# Altium PCB Rectifire_(PFC)_Evaluation_board.PcbDoc
Units mm, origin at the board's own origin, x right, y up, seen from the top; angles counter-clockwise.
Board outline 50.01 x 103.15 mm, 2 copper layers (Top Layer, Bottom Layer); 118 components, 41 nets, 233 pads, 24 vias.
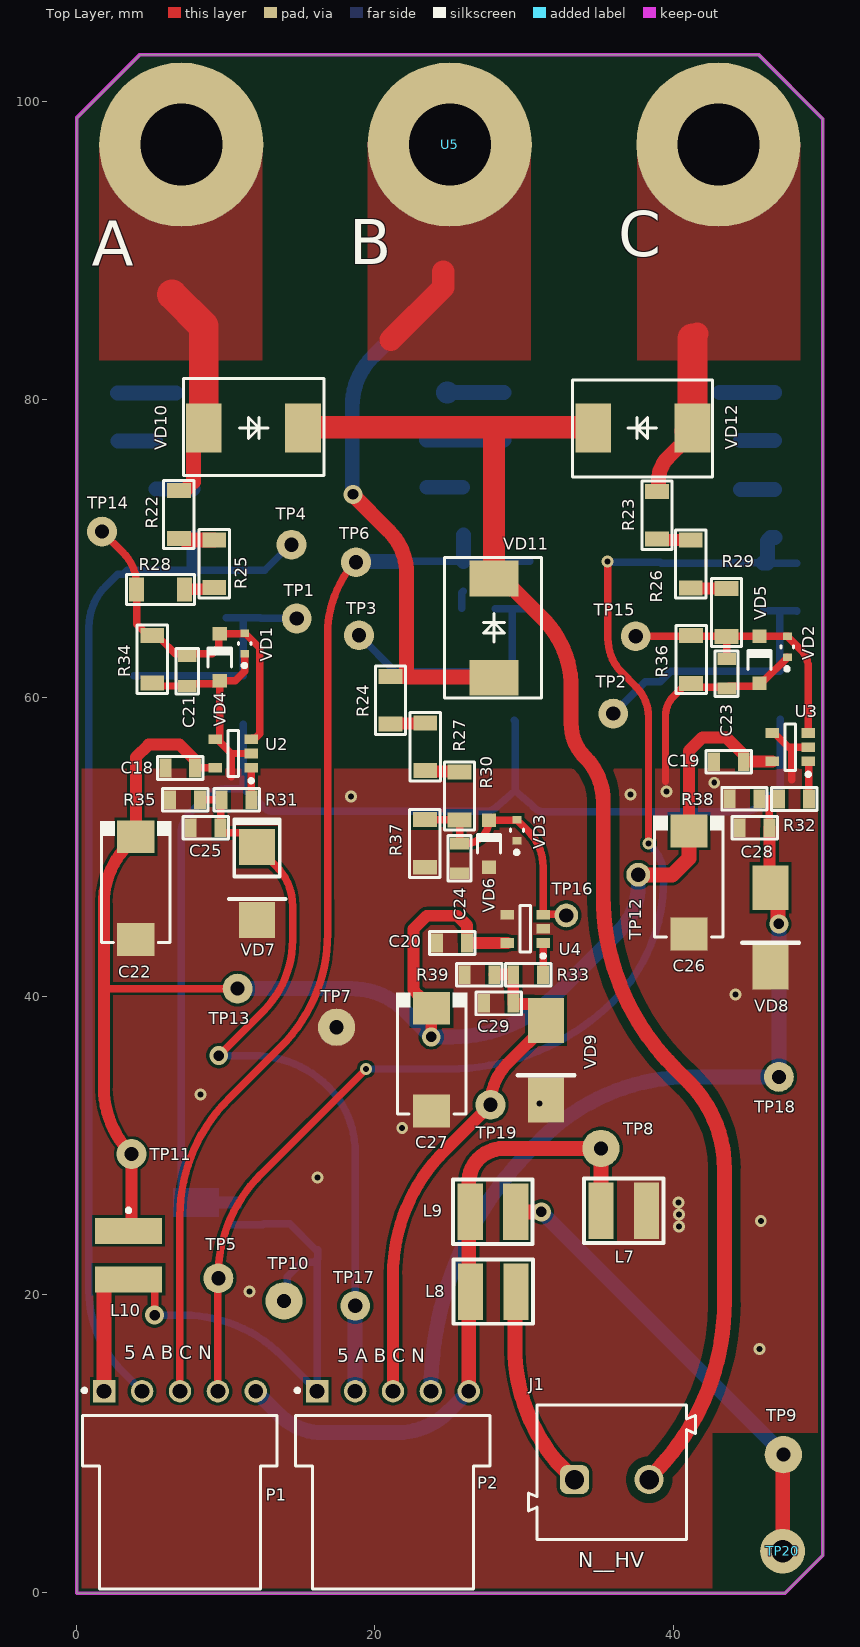
[diagram p0: Top Layer view]
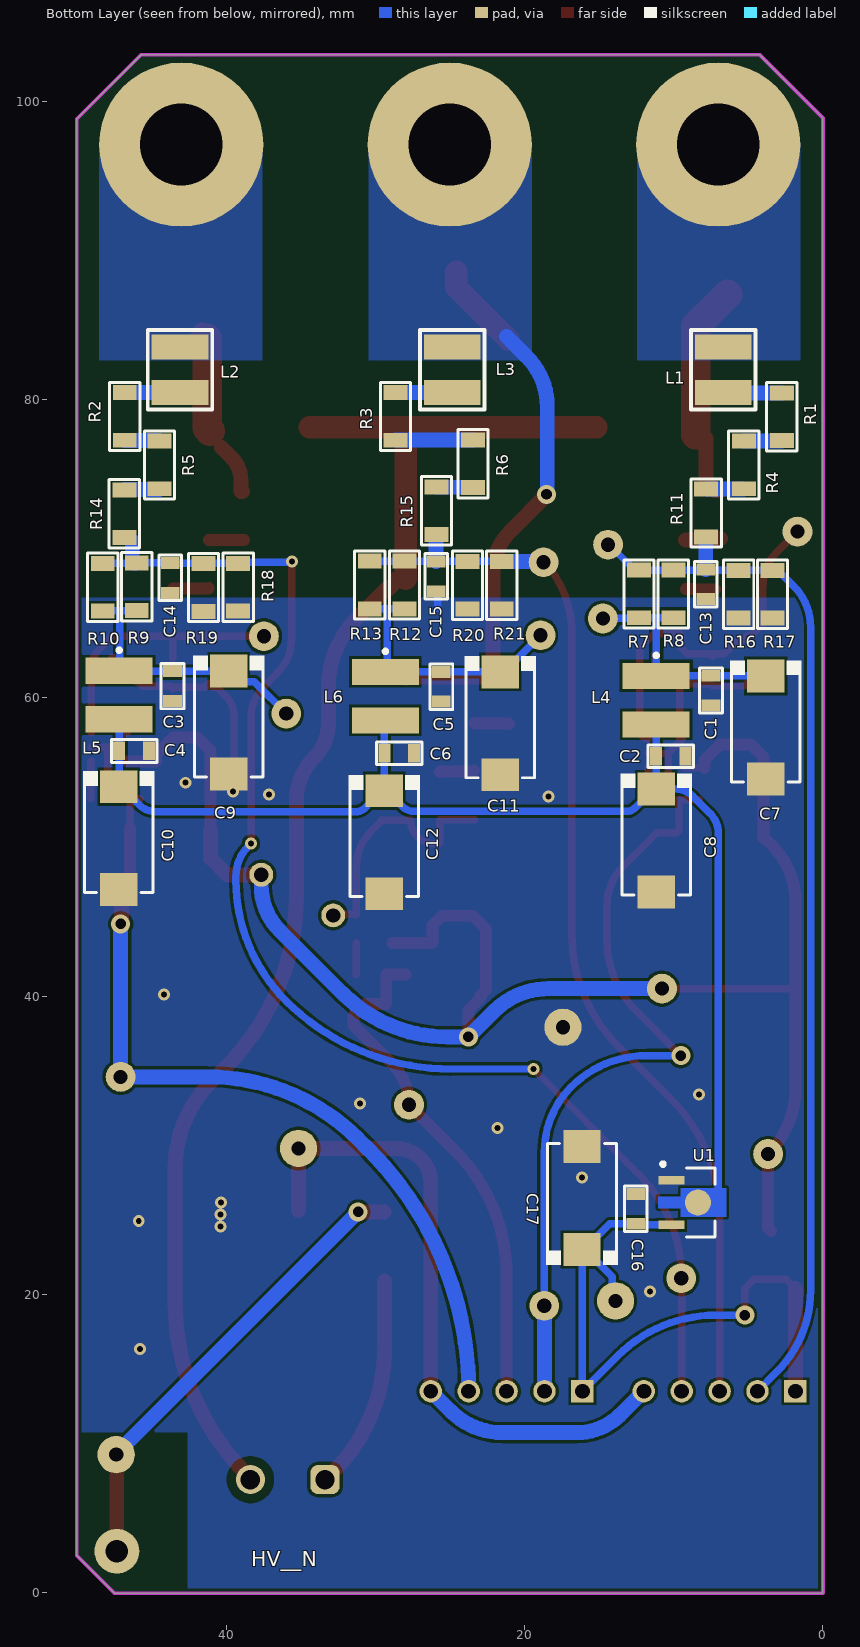
[diagram p1: Bottom Layer view, seen from below]
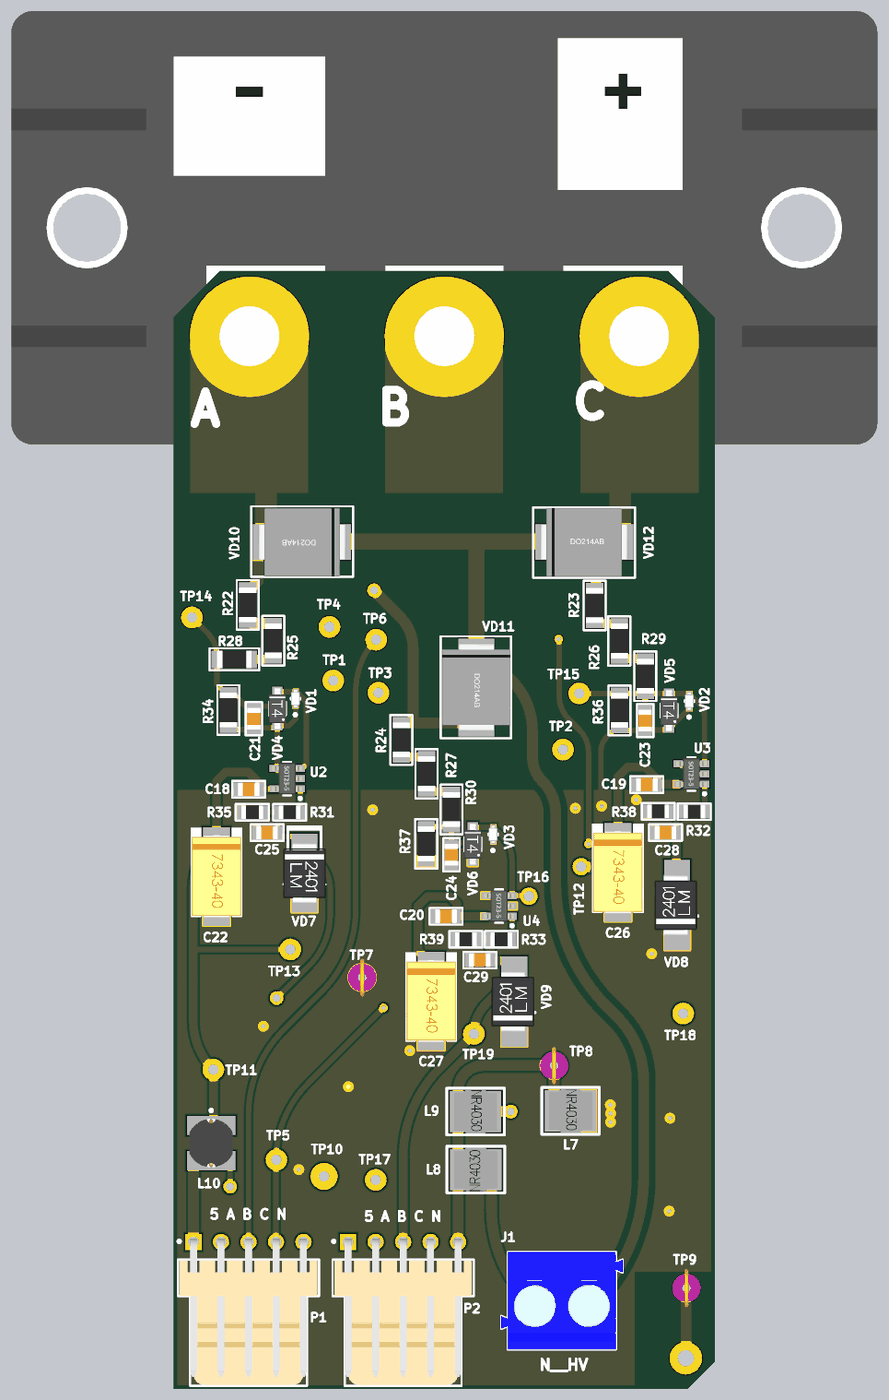
[diagram p2: 3D render of the assembled board from above, using the file's embedded part models]
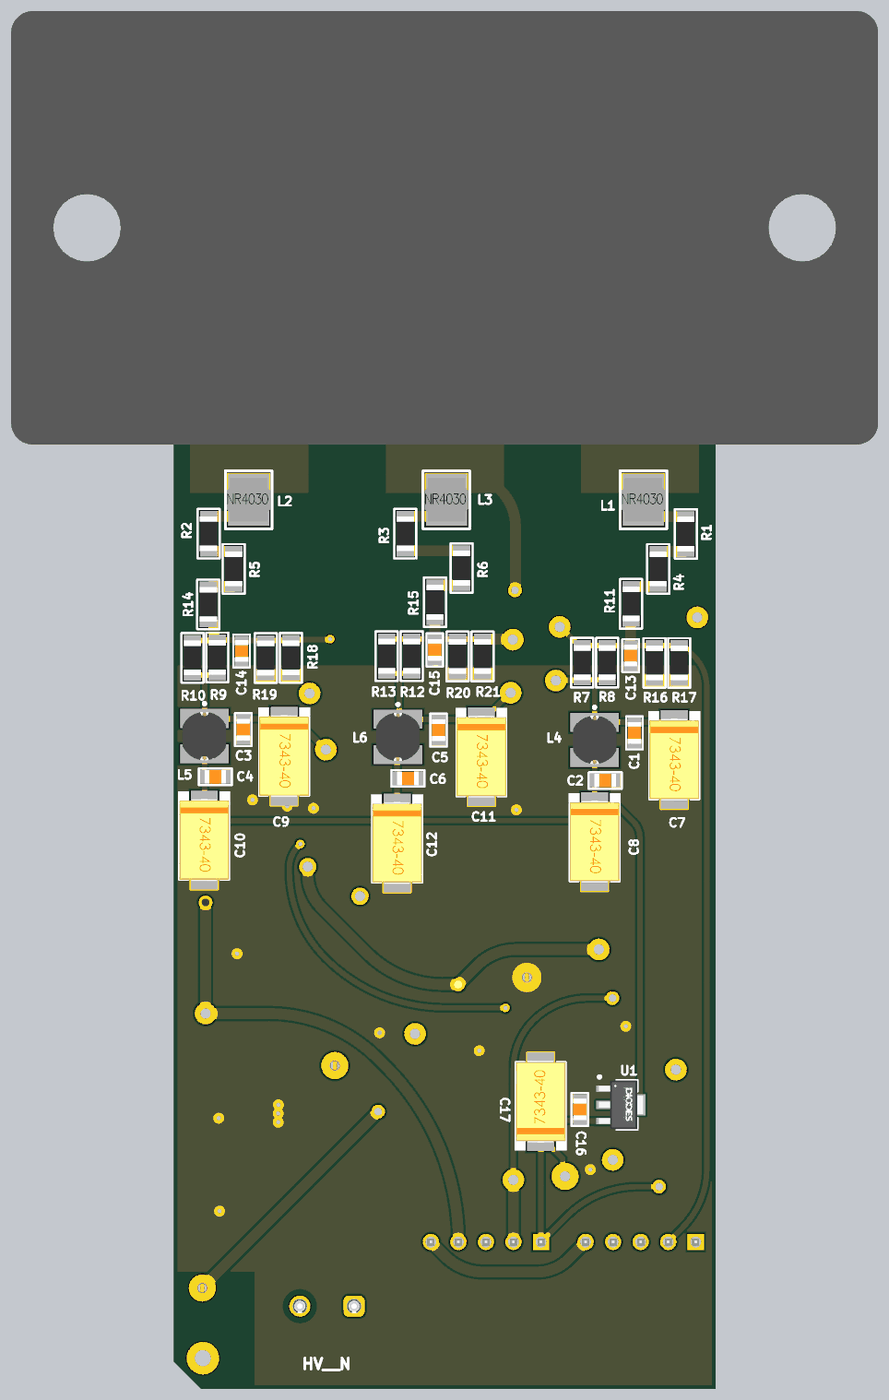
[diagram p3: 3D render of the assembled board from below, using the file's embedded part models]

## Layer stack, top to bottom
Top Solder: solder mask 0.0102, Solder Resist, Dk 3.5
Top Layer: signal copper 0.0356
Dielectric 1: dielectric 0.32, FR-4, Dk 4.8
Bottom Layer: signal copper 0.0356
Bottom Solder: solder mask 0.0102, Solder Resist, Dk 3.5

## Board outline
0,-0.021 0,98.875 4.25,103.125 45.7,103.125 50.014,98.811 50.014,2.511 47.482,-0.021

## Design rules (kind name [scope] priority, off if disabled: settings)
Clearance HV [InNetClass('All Nets') vs InNetClass('HV')] p1: gap=0.6 ignorepadtopadclearanceinfootprint=TRUE except(0.2: Text-Text Text-Hole) // HVV
Clearance 2 [All vs InNetClass('All Nets')] p2: gap=0.2 ignorepadtopadclearanceinfootprint=FALSE
PlaneConnect [All] p1: planeconnectstyle=Direct reliefexpansion=0.508 reliefentries=4 reliefconductorwidth=0.4 reliefairgap=0.254
PolygonConnect [All] p1: connectstyle=Direct reliefconductorwidth=0.5 reliefentries=4 polygonreliefangle="90 Angle" airgapwidth=0.254
RoutingVias [All] p1: holewidth=0.711 width=1.27 viastyle="Through Hole" minholewidth=0.711 minwidth=1.27 maxholewidth=0.711 maxwidth=1.27
ShortCircuit [All] p1 off: allowed=FALSE
SolderMaskExpansion [All] p1: expansion=0.102 istentingtop=FALSE
UnRoutedNet [All] p1 off:
UnpouredPolygon [All] p1 off:
Width [All] p1: maxlimit=5 minlimit=0.254 preferedwidth=0.254
26 further rules are at their usual default settings.

## Classes and differential pairs
net class HV: NetJ1_2

## Components (designator, comment, footprint, x,y, rotation, side; value= is the part's Value field where it differs from the comment)
C1 "0.1uF" CAP-0805 7.5,60.5 r90 bottom
C2 "0.1uF" CAP-0805 10.2,56.1 r0 bottom
C3 "0.1uF" CAP-0805 43.6,60.8 r90 bottom
C4 "0.1uF" CAP-0805 46.175,56.45 r0 bottom
C5 "0.1uF" CAP-0805 25.575,60.75 r90 bottom
C6 "0.1uF" CAP-0805 28.4,56.3 r0 bottom
C7 "50uF" CAP-TAN-D 3.825,58.025 r270 bottom
C8 "50uF" CAP-TAN-D 11.175,50.45 r270 bottom
C9 "50uF" CAP-TAN-D 39.825,58.35 r270 bottom
C10 "50uF" CAP-TAN-D 47.2,50.6 r270 bottom
C11 "50uF" CAP-TAN-D 21.625,58.3 r270 bottom
C12 "50uF" CAP-TAN-D 29.4,50.325 r270 bottom
C13 "470pF" CAP-0805 7.85,67.625 r90 bottom
C14 "470pF" CAP-0805 43.75,68.05 r90 bottom
C15 "470pF" CAP-0805 25.925,68.15 r90 bottom
C16 "0.1uF" CAP-0805 12.55,25.75 r270 bottom
C17 "50uF" CAP-TAN-D 16.15,26.475 r90 bottom
C18 "0.1uF" CAP-0805 6.945,55.3 r0 top
C19 "0.1uF" CAP-0805 43.72,55.725 r0 top
C20 "0.1uF" CAP-0805 25.17,43.575 r0 top
C21 "470pF" CAP-0805 7.42,61.8 r90 top
C22 "50uF" CAP-TAN-D 3.97,47.25 r270 top
C23 "470pF" CAP-0805 43.57,61.625 r90 top
C24 "470pF" CAP-0805 25.67,49.25 r90 top
C25 "470pF" CAP-0805 8.645,51.3 r0 top
C26 "50uF" CAP-TAN-D 41.045,47.625 r270 top
C27 "50uF" CAP-TAN-D 23.795,35.75 r270 top
C28 "470pF" CAP-0805 45.445,51.3 r0 top
C29 "470pF" CAP-0805 28.295,39.525 r0 top
J1 "691101710002" 691101710002 35.875,8.1 r0 top
L1 "Coil" NR4030 6.675,82 r180 bottom locked
L2 "Coil" NR4030 43.1,82 r180 bottom locked
L3 "Coil" NR4030 24.85,82 r180 bottom locked
L4 "12µH, 1.28A" WE-PD2_4532 11.175,59.85 r270 bottom
L5 "12µH, 1.28A" WE-PD2_4532 47.175,60.2 r270 bottom
L6 "12µH, 1.28A" WE-PD2_4532 29.325,60.125 r270 bottom
L7 "Coil" NR4030 36.675,25.625 r270 top
L8 "Coil" NR4030 27.925,20.2 r90 top
L9 "Coil" NR4030 27.9,25.55 r270 top
L10 "12µH, 1.28A" WE-PD2_4532 3.475,22.65 r270 top
P1 "61900511021" 61900511021 6.925,6.075 r0 top locked
P2 "61900511021" 61900511021 21.205,6.075 r0 top locked
R1 "300K 1%" RES-1206 2.75,78.85 r90 bottom
R2 "300K 1%" RES-1206 46.8,78.875 r90 bottom
R3 "300K 1%" RES-1206 28.65,78.875 r90 bottom
R4 "300K 1%" RES-1206 5.3,75.625 r90 bottom
R5 "300K 1%" RES-1206 44.475,75.625 r90 bottom
R6 "300K 1%" RES-1206 23.45,75.7 r90 bottom
R7 "10K 1%" RES-1206 12.325,66.975 r270 bottom
R8 "10K 1%" RES-1206 10.025,66.975 r270 bottom
R9 "10K 1%" RES-1206 46,67.45 r270 bottom
R10 "10K 1%" RES-1206 48.275,67.425 r270 bottom
R11 "300K 1%" RES-1206 7.825,72.4 r90 bottom
R12 "10K 1%" RES-1206 28.05,67.575 r270 bottom
R13 "10K 1%" RES-1206 30.375,67.575 r270 bottom
R14 "300K 1%" RES-1206 46.825,72.35 r90 bottom
R15 "300K 1%" RES-1206 25.9,72.55 r90 bottom
R16 "10K 1%" RES-1206 5.65,66.95 r90 bottom
R17 "10K 1%" RES-1206 3.375,66.95 r90 bottom
R18 "10K 1%" RES-1206 39.2,67.425 r90 bottom
R19 "10K 1%" RES-1206 41.525,67.4 r90 bottom
R20 "10K 1%" RES-1206 23.825,67.55 r90 bottom
R21 "10K 1%" RES-1206 21.525,67.55 r90 bottom
R22 "300K 1%" RES-1206 6.85,72.3 r90 top
R23 "300K 1%" RES-1206 38.9,72.25 r90 top
R24 "300K 1%" RES-1206 21.045,59.85 r90 top
R25 "300K 1%" RES-1206 9.22,69 r90 top
R26 "300K 1%" RES-1206 41.17,68.975 r90 top
R27 "300K 1%" RES-1206 23.37,56.725 r90 top
R28 "300K 1%" RES-1206 5.62,67.275 r0 top
R29 "300K 1%" RES-1206 43.57,65.725 r90 top
R30 "300K 1%" RES-1206 25.67,53.425 r90 top
R31 "10K" RES-0805 10.72,53.175 r0 top
R32 "10K" RES-0805 48.095,53.225 r0 top
R33 "10K" RES-0805 30.27,41.45 r0 top
R34 "10K 1%" RES-1206 5.07,62.6 r90 top
R35 "10K" RES-0805 7.27,53.175 r0 top
R36 "10K 1%" RES-1206 41.195,62.575 r90 top
R37 "10K 1%" RES-1206 23.345,50.25 r90 top
R38 "10K" RES-0805 44.77,53.25 r0 top
R39 "10K" RES-0805 26.995,41.45 r0 top
TP1 "Test_Point_PCB" Test_Point#1 14.75,65.325 r0 top
TP2 "Test_Point_PCB" Test_Point#1 35.975,58.95 r0 top
TP3 "Test_Point_PCB" Test_Point#1 18.925,64.2 r0 top
TP4 "Test_Point_PCB" Test_Point#1 14.4,70.275 r0 top
TP5 "Test_Point_PCB" Test_Point#1 9.5,21.1 r0 top
TP6 "Test_Point_PCB" Test_Point#1 18.725,69.1 r0 top
TP7 "Test_Point_PCB" Pin_Test_Point(Pink) 17.425,37.925 r0 top
TP8 "Test_Point_PCB" Pin_Test_Point(Pink) 35.15,29.8 r0 top
TP9 "Test_Point_PCB" Pin_Test_Point(Pink) 47.375,9.275 r0 top
TP10 "Test_Point_PCB" Test_Point#2 13.9,19.575 r0 top
TP11 "Test_Point_PCB" Test_Point#1 3.675,29.425 r0 top
TP12 "Test_Point_PCB" Test_Point#3 37.65,48.15 r90 top
TP13 "Test_Point_PCB" Test_Point#1 10.787,40.512 r90 top
TP14 "Test_Point_PCB" Test_Point#1 1.7,71.15 r0 top
TP15 "Test_Point_PCB" Test_Point#1 37.475,64.137 r90 top
TP16 "Test_Point_PCB" Test_Point#3 32.825,45.425 r90 top
TP17 "Test_Point_PCB" Test_Point#1 18.675,19.25 r0 top
TP18 "Test_Point_PCB" Test_Point#1 47.075,34.6 r90 top
TP19 "Test_Point_PCB" Test_Point#1 27.745,32.725 r90 top
TP20 "Test_Point_PCB" Test_Point#4 47.325,2.8 r90 top
U1 "AMS1117" SOT-89 8.375,26.175 r270 bottom
U2 "" SOT-23-5 10.495,56.275 r180 top
U3 "" SOT-23-5 47.845,56.7 r180 top
U4 "" SOT-23-5 30.07,44.525 r180 top
U5 "" MDS100 25.014,107.097 r0 top
VD1 "5.0V" SOD-323 11.27,63.65 r90 top
VD2 "5.0V" SOD-323 47.645,63.425 r90 top
VD3 "5.0V" SOD-323 29.52,51.125 r90 top
VD4 "5.1V" DIOD-SOD123-2_V 9.595,62.725 r90 top
VD5 "5.1V" DIOD-SOD123-2_V 45.77,62.55 r90 top
VD6 "5.1V" DIOD-SOD123-2_V 27.645,50.225 r90 top
VD7 "3.3V" DO-214AA#1 12.095,45.5 r90 top
VD8 "3.3V" DO-214AA#2 46.52,42.322 r90 top
VD9 "3.3V" DO-214AA#2 31.47,33.425 r90 top
VD10 "DIODE" DO-214AB 11.875,78.1 r180 top
VD11 "DIODE" DO-214AB 27.975,64.7 r270 top
VD12 "DIODE" DO-214AB 37.925,78.1 r0 top

## Footprints (in the part's own frame and the unit in brackets; to place one, negate y for a bottom-side part, rotate by r counter-clockwise, add the part's x,y. Pads: shape width x height; smd on the part's side, far side on the other; paste and mask are expansions set on the pad)
61900511021 [mm] "2.54mm Male Left Angled Header Bottom Locking, 5p"
  rect 1.5x1.5 hole 1: 1(-5.08,7.45)
  round 1.5 hole 1: 2(-2.54,7.45) 3(0,7.45) 4(2.54,7.45) 5(5.08,7.45)
  silkscreen extent -6.53,-5.82 6.52,7.62, body extent -6.35,-5.75 6.35,7.77, height 5.83
691101710002 [mm] "5,00mm - modular - blue - Horizontal entry with pressure clamp - 12,6mm height - 02p"
  rrect50% 1.95x1.95 hole 1.3: 1(-2.5,-0.5)
  round 1.95 hole 1.3: 2(2.5,-0.5)
  silkscreen extent -5.6,-4.5 5.6,4.5, body extent -5.6,-4.5 5.6,4.5, height 12.65
CAP-0805 [mm]
  rect 0.8x1.25 smd mask+0.015: 1(-1,0) 2(1,0)
  silkscreen extent -1.52,-0.76 1.52,0.76, body extent -1,-0.62 1,0.63, height 0.8
CAP-TAN-D [mm]
  rect 2.2x2.5 smd: 1(-3.45,0) 2(3.45,0)
  silkscreen extent -4.5,-2.4 3.65,2.4, body extent -3.8,-2.3 3.8,2.3, height 4
DIOD-SOD123-2_V [mm] "SOD123, 2-Leads, Body 2.7x1.55mm, Height 1.45mm"
  rect 0.9x0.95 smd: 1(1.575,0) 2(-1.575,0)
  silkscreen extent -0.64,-0.82 0.64,0.77, body extent -1.88,-0.8 1.88,0.8, height 1.3
DO-214AA#1 [mm]
  rect 2.4x2.4 smd: 1(-0.381,0) 2(4.5,0)
  silkscreen extent 1.02,-1.91 6.35,1.91, body extent -0.75,-1.97 4.85,1.97, height 2.65
DO-214AA#2 [mm]
  rect 3x2.4 smd: 1(-0.381,0) 2(4.953,0)
  silkscreen extent 1.27,-1.91 1.27,1.91, body extent -0.53,-1.85 5.07,2.1, height 2.65
DO-214AB [mm]
  rect 2.4x3.3 smd: 1(-3.3,0) 2(3.35,0)
  silkscreen extent -4.7,-3.3 4.7,3.2, body extent -4.06,-3.15 4.06,3.15, height 2.67
MDS100 [mm]
  round 11 hole 5.5: 1(-18,-10) 2(0,-10) 3(18,-10)
  body extent -40,-20 40,20
NR4030 [mm]
  rect 3.8x1.7 smd: 1(0,1.524) 2(0,-1.524)
  silkscreen extent -2.16,-2.67 2.16,2.67, body extent -2,-2 2,2, height 3.15
Pin_Test_Point(Pink) [mm]
  round 2.5 hole 0.95: 1(0,0)
  body extent -1.3,-1.78 1.3,1.78, height 6.93
RES-0805 [mm]
  rect 0.8x1.25 smd mask+0.015: 1(-1,0) 2(1,0)
  silkscreen extent -1.52,-0.76 1.52,0.76, body extent -1,-0.62 1,0.63, height 0.6
RES-1206 [mm]
  rect 1x1.6 smd: 1(-1.6,0) 2(1.6,0)
  silkscreen extent -2.29,-1.02 2.29,1.02, body extent -1.6,-0.8 1.6,0.8, height 0.6
SOD-323 [mm]
  rect 0.5x0.6 smd paste-1000 mask+0: 1(-0.7,0) 2(0.7,0)
  silkscreen extent -1.6,-0.43 0.08,0.43, body extent -0.8,-0.39 0.8,0.41, height 0.7
SOT-23-5 [mm]
  rect 0.9x0.65 smd: 1(-1.2,0.95) 2(-1.2,0) 3(-1.2,-0.95) 4(1.2,-0.95) 5(1.2,0.95)
  silkscreen extent -1.33,-1.55 0.35,1.95, body extent -1.4,-1.45 1.4,1.45, height 1.24
SOT-89 [mm]
  rect 0.58x1.73 smd paste+0 mask+0: 1(-1.5,-1.781) 3(1.5,-1.781)
  round 1.74 smd paste+0 mask+0: 2(0,0)
  Top Layer region: -0.38,-2.646 -0.38,-1.146 -0.967,-1.146 -0.967,1.884 0.967,1.884 0.967,-1.146 0.38,-1.146 0.38,-2.646
  silkscreen extent -2.7,-2.47 2.3,1.15, body extent -2.25,-2.42 2.25,1.68, height 1.6
Test_Point#1 [mm]
  round 2 hole 0.95: 1(0,0)
Test_Point#2 [mm]
  round 2.5 hole 0.95: 1(0,0)
Test_Point#3 [mm]
  round 1.6 hole 0.95: 1(0,0)
Test_Point#4 [mm]
  round 3 hole 1.5: 1(0,0)
WE-PD2_4532 [mm] "SMD Power Inductor, 2-Leads, body 4.5x4mm"
  rect 1.75x4.5 smd: 1(-1.625,0) 2(1.625,0)
  silkscreen extent -3.12,-0.13 -2.88,0.12, body extent -2.24,-2 2.24,2, height 3.22

## Part data
C1 C2 C3 C4 C5 C6 C13 C14 C15 C16 C18 C19 C20 C21 C23 C24 C25 C28 C29: library part CAP-NON-POLAR
C7 C8 C9 C10 C11 C12 C17 C22 C26 C27: library part CAP-POLAR
J1: "WR-TBL Series 101 Horizontal Entry Modular, THT, pitch 5mm, 2p", Manufacturer="Wurth Elektronik", Operating Temperature Max=105°C, Operating Temperature Min=-40°C, Rated Current=16A, Working Voltage=250V, Application="Pressure Clamp", Category="Terminal Blocks", ComponentLink1Description="Website Link", ComponentLink1URL=https://www.we-online.com/redexpert/article/691101710002?ad, ComponentLink2Description="Datasheet Link", ComponentLink2URL=https://www.we-online.com/redexpert/spec/691101710002?ad, Manufacturer Part Number=691101710002, Match Code=WR-TBL, Modularity=Yes, Mount="Through Hole", Number of Pins=2, Number of Rows=1, Orientation=Horizontal, Packaging=Box, Pitch=5mm
L4 L5 L6 L10: library part 744773112, "WE-PD2 SMT Power Inductor, size 4532, 12µH, 1.28A, 0.21Ω", Case/Size Code=4532, DC Resistance=0.156Ω, DC Resistance Max=0.21Ω, Inductance=12µH, Manufacturer="Wurth Elektronik", Operating Temperature Max=125°C, Operating Temperature Min=-40°C, Rated Current=1.28A, Saturation Current=1.62A, Self Resonant Frequency=32MHz, Category="Unshielded Power Inductors", ComponentLink1Description="Website Link", ComponentLink1URL=https://www.we-online.com/redexpert/article/744773112?ad, ComponentLink2Description="Datasheet Link", ComponentLink2URL=https://www.we-online.com/redexpert/spec/744773112?ad, Height=3.2mm, Length=4.5mm, Manufacturer Part Number=744773112, Match Code=WE-PD2, Mount="Surface Mount", Packaging="Tape and Reel", Width=4mm, Simulation ModelName=4532_744773112_12u, Simulation ModelText=".subckt 4532_744773112_12u 1 2 / Rp 1 2 21000 / Cp 1 2 2.27p / Rs 1 N3 0.156 / L1 N3 2 12u / .ends 4532_744773112_12u", Simulation PortMap=(1:1),(2:2)
P1 P2: "WR-WTB THT Male Left Angled Bottom Locking Header, pitch 2.54mm, 5p", Contact Resistance=20mOhm, Operating Temperature="-40 to +105degC", Rated Current=3A, Withstanding Voltage=1000VAC, Working Voltage=250VAC, ComponentLink1Description=Manufacturer, ComponentLink1URL=http://www.we-online.de, ComponentLink2Description=Datasheet, ComponentLink2URL=https://www.we-online.com/catalog/datasheet/61900511021.pdf, Gender=Male, Mounting Technology=THT, Packaging=Bag, Part Number=61900511021, Pin Number=5, Pitch=2.54mm, Published Date="January 2020", Publisher="Wurth Elektronik", Type="Right Angled Bottom Locking"
R1 R2 R3 R4 R5 R6 R11 R14 R15 R22 R23 R24 R25 R26 R27 R28 R29 R30: library part RES-CONST, "300K"
R7 R9 R12 R31 R32 R33 R34 R35 R36 R37 R38 R39: library part RES-CONST
R8 R10 R13 R16 R17 R18 R19 R20 R21: library part RES-CONST, "10K"
TP1 TP2 TP3 TP4 TP5 TP6 TP7 TP8 TP9 TP10 TP11 TP12 TP13 TP14 TP15 TP16 TP17 TP18 TP19 TP20: library part TP_PCB?, "Test_Point"
U2 U3 U4: library part MCP6001T, "IC OPAMP GP 1 CIRCUIT SOT23-5", Case/Package=SOT-23, Input Bias Current=1pA, Input Offset Voltage (Vos)=4.5mV, Max Operating Temperature=85°C, Max Supply Voltage=6V, Min Operating Temperature=-40°C, Min Supply Voltage=1.8V, Nominal Supply Current=100uA, Operating Supply Voltage=5.5V, Output Current=23mA, Package Quantity=1, Power Supply Rejection Ratio (PSRR)=86dB, Voltage Gain=112dB, Bandwidth=1MHz, Common Mode Rejection Ratio=60dB, Contact Plating=Tin, Gain Bandwidth Product=1MHz, Height=1.3mm, Lead Free="Lead Free", Length=3.1mm, Mount="Surface Mount", Number of Amplifiers=1, Number of Channels=1, Number of Circuits=1, Number of Elements=1, Number of Pins=5, Operating Supply Current=100uA, Output Current per Channel=23mA, Packaging="Tape and Reel", Radiation Hardening=No, REACH SVHC="No SVHC", Slew Rate=0.6V/µs, Unity Gain Bandwidth Product=1MHz, Voltage=6V, Width=1.8mm
U5: library part MDS100, Case/Package=SOIC, Dual Supply Voltage=9V, Input Bias Current=250nA, Input Offset Voltage (Vos)=7mV, Max Dual Supply Voltage=16V, Max Operating Temperature=70°C, Max Supply Voltage=32V, Min Dual Supply Voltage=1.5V, Min Operating Temperature=0°C, Min Supply Voltage=3V, Nominal Supply Current=1.2mA, Operating Supply Current=1.5mA, Output Current=40mA, Package Quantity=2500, Power Supply Rejection Ratio (PSRR)=65dB, Voltage Gain=100dB, Bandwidth=1MHz, Common Mode Rejection Ratio=65dB, Contact Plating=Tin, Gain Bandwidth Product=1MHz, Halogen Free="Halogen Free", Height=1.5mm, Lead Free="Lead Free", Length=5mm, Number of Amplifiers=2, Number of Channels=2, Number of Circuits=2, Number of Elements=2, Number of Pins=8, Operating Supply Voltage=16V, Output Current per Channel=40mA, Packaging="Tape and Reel", Radiation Hardening=No, REACH SVHC="No SVHC", Slew Rate=0.6V/µs, Width=4mm
VD1 VD2 VD3: library part SMBJ15A
VD4 VD5 VD6: library part ZENER
VD7 VD8 VD9: library part Suppressor

## Via types
v1: diameter 0.8, hole 0.4, Top Layer to Bottom Layer, 18 vias
v2: diameter 1.27, hole 0.711, Top Layer to Bottom Layer, 6 vias

## Nets (pads, with @x,y where several pads share a name; then routed paths per layer and width w, separated by ;. In a path a pad name is that pad's centre, name@x,y a point inside that pad or via, vN(x,y) a via of type N, cw(c..) or ccw(c..) an arc to the next point about the centre after c; other vN are vias at no path point)
+3V3: C2.2 C4.2 C6.2 C8.1 C10.1 C12.1 L4.2 L5.2 L6.2 U1.2 | length 83.3
  Bottom Layer w0.5: U1.2 8.166,26.384 7.293,26.384 7,26.677 7,50.891 7,50.892 cw(c8.95,50.892) 7.573,52.273 8.686,53.386 cw(c9.924,52.151) 9.924,53.9 C8.1 ; L4.2 11.175,56.1 C8.1 ; L6.2 29.4,58.425 C6.2 C12.1 ; L5.2 C4.2 47.175,54.075 C10.1 46.2,53.2 45.837,52.837 cw(c44.721,53.953) 44.721,52.375 44.719,52.375 31.322,52.375 cw(c31.322,53.274) 30.687,52.638 30.4,52.925 C12.1 ; C8.1 12.175,53.05 12.612,52.613 ccw(c13.127,53.129) 13.127,52.4 27.189,52.4 27.403,52.4 ccw(c27.403,53.541) 28.209,52.734 28.4,52.925 C12.1
GND: C1.1 C2.1 C3.1 C4.1 C5.1 C6.1 C7.2 C8.2 C9.2 C10.2 C11.2 C12.2 C13.1 C14.1 C15.1 C16.1 C17.2 C18.1 C19.1 C20.1 C21.1 C22.2 C23.1 C24.1 C25.1 C26.2 C27.2 C28.1 C29.1 L7.1 R16.1 R17.1 R18.1 R19.1 R20.1 R21.1 R34.1 R35.1 R36.1 R37.1 R38.1 R39.1 TP7.1 U1.1 U2.2 U2.4 U3.2 U3.4 U4.2 U4.4 VD1.1 VD2.1 VD3.1 VD4.2 VD5.2 VD6.2 VD7.1 VD8.1 VD9.1 | length 36.5
  Top Layer w0.5: R34.1 5.27,60.8 C21.1 7.57,60.95 9.37,60.95 9.495,61.075 VD4.2@9.495,61.225 ; U2.4@9.42,57.225 10.37,56.275 ; U2.4@9.595,57.225 VD4.2@9.595,60.8 ; VD4.2 10.625,61.15 11.27,61.795 VD1.1 ; 10.37,54.729 10.37,56.275 ; U2.2 10.37,56.275 ; 39.475,54.425 39.475,58.805 39.475,58.807 cw(c41.33,58.807) 40.018,60.118 40.625,60.725 40.945,60.725 R36.1 41.445,60.725 43.47,60.725 C23.1 43.72,60.775 44.237,60.775 VD5.2@45.645,60.775 ; VD5.2 45.872,61.078 VD5.2@45.997,61.078 ; VD5.2@45.995,61.078 45.995,61.175 46.095,61.175 47.595,62.675 47.595,62.725 VD2.1 ; U3.4 46.77,57.65 47.72,56.7 U3.2 ; 47.95,54.525 47.95,56.7
  Bottom Layer w0.5: 25.825,66.025 25.825,67.05 C15.1
  other v1: 45.787,16.369 11.575,20.2 40.375,24.575 45.862,24.944 40.375,25.375 40.35,26.175 16.15,27.85 21.825,31.175 31.017,32.817 8.3,33.425 44.167,40.117 18.392,53.392 37.117,53.542 39.542,53.742 42.742,54.317
NetC1_2: C1.2 C7.1 L4.1 R7.2 R8.2 TP1.1 | length 16
  Bottom Layer w0.5: C7.1 3.85,61.5 C1.2 11.15,61.5 L4.1 11.175,65.375 ; R8.2 11.175,65.375 ; TP1.1 14.725,65.35 12.35,65.35 R7.2 11.175,65.375
NetC3_2: C3.2 C9.1 L5.1 R9.2 R10.2 TP2.1 | length 18.9
  Bottom Layer w0.5: TP2.1@35.8,58.8 35.826,58.8 38.12,61.094 39.119,61.094 C9.1 C3.2 47.15,61.8 L5.1 47.138,61.863 47.138,65.837 ; R9.2 46.012,65.837 47.138,65.837 ; R10.2 48.263,65.837 47.138,65.837
NetC5_2: C5.2 C11.1 L6.1 R12.2 R13.2 TP3.1 | length 18.1
  Bottom Layer w0.5: TP3.1 21.425,61.7 21.575,61.7 C11.1 C5.2 L6.1 29.212,61.863 29.212,65.975 ; R12.2 29.212,65.975 ; R13.2 29.212,65.975
NetC13_2: C13.2 P1.2 R7.1 R8.1 R11.1 R16.2 R17.2 TP4.1 | length 71.7
  Bottom Layer w0.5: P1.2 3.081,14.829 3.08,14.83 cw(c8.523,20.274) 0.825,20.274 0.825,20.276 0.825,64.749 0.825,64.751 cw(c4.746,64.751) 1.975,67.525 2.75,68.3 3.125,68.3 R17.2 3.387,68.562 5.65,68.562 C13.2@7.85,68.562 ; R11.1 R11.1@7.85,70.775 ; C13.2 C13.2@7.85,68.562 ; TP4.1@14.35,70.825 13.8,70.275 13.8,69.75 12.625,68.575 R7.1 12.313,68.562 10.025,68.562 C13.2@7.85,68.562
  Bottom Layer w1: C13.2 R11.1@7.85,70.775
NetC14_2: C14.2 P1.4 R9.1 R10.1 R14.1 R18.2 R19.2 TP5.1 | length 89.8
  Top Layer w0.5: P1.4 9.465,21.1 cw(c19.339,21.1) 12.359,28.084 v1(19.4,35.125) ; v1(35.575,69.15) 35.614,69.111 35.614,63.976 ccw(c38.848,63.976) 36.561,61.689 36.563,61.687 37.495,60.755 cw(c35.466,58.727) 38.335,58.727 38.335,50.24 v1(38.336,50.239)
  Bottom Layer w0.5: v1(19.4,35.125) 24.937,35.125 ccw(c24.943,50.769) 36.01,39.713 ccw(c27.952,47.774) 39.35,47.774 39.35,48.034 ccw(c36.475,48.034) 38.508,50.067 v1(38.336,50.239) ; v1(35.575,69.15) 35.632,69.093 39.132,69.093 R18.2 ; R18.2@39.239,69.027 41.525,69.027 C14.2@43.75,69.027 ; C14.2 R9.1 R9.1@46.025,69.05 ; R9.1@46,69.027 48.273,69.027 R10.1
  Bottom Layer w1: R9.1 46.3,69.05 46.3,70.525 46.525,70.75 R14.1
NetC15_2: C15.2 P1.3 R12.1 R13.1 R15.1 R20.2 R21.2 TP6.1 | length 73.5
  Top Layer w0.5: P1.3 6.925,25.272 6.925,25.274 cw(c17.973,25.274) 10.162,33.087 12.276,35.201 13.695,36.62 ccw(c6.138,44.181) 16.828,44.181 16.828,44.182 16.828,46.485 16.825,46.487 16.825,64.27 16.825,64.272 cw(c24.173,64.274) TP6.1@18.972,69.465 ; TP6.1@17.989,69.104 TP6.1@18.222,69.444
  Bottom Layer w0.5: R21.2 R20.2 C15.2 25.938,69.163 30.362,69.163 R13.1 ; R15.1 R15.1@25.925,70.925
  Bottom Layer w1: TP6.1@18.757,69.15 R21.2 ; C15.2 R15.1@25.925,70.925
NetC16_2: C16.2 C17.1 L10.2 P1.1 P2.1 TP10.1 U1.3 | length 45.3
  Top Layer w0.5: L10.2@1.845,20.4 2.47,21.025 4.6,21.025 5.225,20.4 v2(5.225,18.625)
  Top Layer w1: P1.1 L10.2@1.845,20.4
  Bottom Layer w0.5: v2(5.225,18.625) 7.166,18.625 cw(c7.166,9.308) 13.753,15.897 13.755,15.895 P2.1 C17.1@16.125,22.175 ; U1.3 12.475,24.675 C16.2 14.275,24.75 C17.1@16,23.025 ; TP10.1 14.114,19.789 14.114,21.189 15.1,22.175 15.925,22.175 16.15,22.4 C17.1
NetC18_2: C18.2 C19.2 C20.2 C22.1 C26.1 C27.1 L10.1 TP11.1 TP12.1 TP13.1 U2.5 U3.5 U4.5 | length 115.9
  Top Layer w0.5: 1.825,40.512 TP13.1 ; C18.2@7.945,55.312 U2.5@9.282,55.312
  Top Layer w0.8: L10.1 3.675,24.475 TP11.1 cw(c8.141,33.891) 1.825,33.891 1.825,40.512 1.825,46.241 cw(c7.358,46.241) C22.1@4.01,50.646 ; C22.1 3.97,56.025 4.82,56.875 6.9,56.875 7.945,55.83 C18.2 ; v2(23.77,37.275) 23.77,39.075 22.945,39.9 22.945,40.05 22.57,40.425 22.57,44.5 23.47,45.4 25.52,45.4 26.17,44.75 C20.2 ; C20.2 U4.5 ; C26.1 41.045,56.445 41.95,57.35 43.55,57.35 44.72,56.18 C19.2 ; C19.2@44.72,55.75 U3.5
  Top Layer w1: TP12.1@37.425,48.125 39.925,48.125 41.045,49.245 C26.1
  Bottom Layer w1: TP13.1 18.399,40.512 cw(c18.399,35.362) 22.041,39.004 22.042,39.002 v2(23.77,37.275) 25.173,37.275 ccw(c25.168,47.189) 32.18,40.18 36.401,44.401 ccw(c33.387,47.416) 37.65,47.416 TP12.1
NetC21_2: C21.2 R28.1 R34.2 TP14.1 U2.3 VD1.2 VD4.1 | length 24
  Top Layer w0.5: TP14.1 3.121,69.729 3.124,69.726 cw(c0.957,67.562) 4.008,67.825 R28.1 ; R28.1@4.02,67.15 4.02,64.95 4.776,64.194 R34.2@5.063,64.194 ; R34.2 5.32,63.95 5.62,63.95 6.62,62.95 7.27,62.95 C21.2 7.57,62.95 9.095,62.95 9.538,63.393 9.538,64.243 VD4.1 11.32,64.3 12.27,63.35 12.27,57.593 11.977,57.3 11.77,57.3 U2.3
NetC23_2: C23.2 R29.1 R36.2 TP15.1 U3.3 VD2.2 VD5.1 | length 18.7
  Top Layer w0.5: TP15.1 41.157,64.137 R36.2 41.22,64.15 43.545,64.15 R29.1 ; C23.2 R29.1 ; U3.3 49.045,62.055 ccw(c47.427,62.055) 48.571,63.198 48.569,63.2 47.695,64.075 47.695,64.125 VD5.1 R29.1
NetC24_2: C24.2 R30.1 R37.2 TP16.1 U4.3 VD3.2 VD6.1 | length 17.4
  Top Layer w0.5: R37.2 23.357,51.837 25.657,51.837 R30.1 C24.2 26.045,50.237 26.082,50.237 ccw(c26.082,51.788) 27.621,51.6 VD6.1@27.632,51.788 ; VD6.1 29.445,51.8 29.522,51.815 29.57,51.825 29.57,51.775 30.297,51.048 cw(c27.948,48.699) 31.27,48.699 U4.3 31.282,45.487 TP16.1@33.05,45.487
NetC25_2: C25.2 P2.2 R31.1 R35.2 TP17.1 VD7.2 | length 51.7
  Top Layer w0.5: R35.2 R31.1 9.645,53.1 C25.2@9.645,51.375 ; v2(9.525,36.025) 12.496,38.996 ccw(c7.722,43.772) 14.475,43.772 14.475,46.071 ccw(c10.737,46.071) 13.38,48.714 13.045,49.05 VD7.2 11.145,50.95 9.795,50.95 9.645,51.1 C25.2
  Bottom Layer w0.5: v2(9.525,36.025) 11.824,36.025 cw(c11.824,28.9) 16.858,33.942 ; 16.859,33.941 cw(c12.479,29.558) 18.675,29.559 18.675,29.557 TP17.1 TP17.1@18.67,19.245 ; P2.2 P2.2@18.67,13.53
  Bottom Layer w1: P2.2@18.67,13.53 TP17.1@18.67,19.245
NetC28_2: C28.2 P2.4 R32.1 R38.2 TP18.1 VD8.2 | length 56.3
  Top Layer w0.5: R38.2 45.782,53.238 46.432,53.238 ; C28.2 46.445,53.225 46.432,53.238 ; R32.1 47.082,53.238 46.432,53.238
  Top Layer w0.8: C28.2 46.445,47.35 VD8.2
  Top Layer w1: VD8.2 47.023,46.771 47.023,44.902 v2(47.075,44.85)
  Bottom Layer w1: P2.4 cw(c46.668,13.525) 30.46,29.735 31.147,30.422 cw(c41.23,20.344) 41.23,34.6 TP18.1 v2(47.075,44.85)
NetC29_2: C29.2 P2.3 R33.1 R39.2 TP19.1 VD9.2 | length 34.5
  Top Layer w0.8: P2.3 21.205,21.32 cw(c32.952,21.32) 24.648,29.628 TP19.1 cw(c31.675,32.725) 28.896,35.505 31.47,38.078 31.47,38.678 30.67,39.478 29.295,39.478 C29.2 29.295,39.75 29.27,39.775 R33.1 R39.2
NetJ1_1: J1.1 L8.2 | length 14.7
  Top Layer w1: L8.2@29.374,20.925 29.374,16.485 ccw(c41.262,16.475) 32.234,8.74 32.262,8.713 32.9,8.075 J1.1@33.547,7.428
NetJ1_2: J1.2 VD10.1 VD11.1 VD12.1 | length 95.9
  Top Layer w1: VD11.1@28.575,68 28.575,67.85 29.125,67.3 29.275,67.3 31.233,65.342 cw(c26.602,60.713) 33.15,60.713 33.15,58.275 33.15,58.272 ccw(c36.341,58.272) 34.085,56.015 cw(c31.157,53.084) 35.3,53.085 35.3,53.082 35.3,46.713 35.3,46.71 ccw(c51.559,46.71) 40.062,35.213 40.064,35.211 41.013,34.262 41.016,34.259 cw(c35.201,28.444) 43.425,28.445 43.425,28.441 43.425,19.496 43.425,19.494 cw(c27.143,19.494) 38.656,7.981 J1.2@38.221,7.546
  Top Layer w1.5: VD10.1@15.175,78.15 27.8,78.15 ; VD11.1 27.975,77.975 27.8,78.15 ; VD12.1@34.4,78.15 27.8,78.15
NetL1_1: L1.1 R22.2 U5.1 VD10.2 | length 15.4
  Top Layer w1: R22.2 7.239,73.9 7.825,74.486 7.825,77.4 VD10.2
  Top Layer w2: 6.4,87.05 8.525,84.925 VD10.2@8.525,77.65
NetL1_2: L1.2 R1.2 | length 3.9
  Bottom Layer w0.5: L1.2@6.649,80.45 L1.2
  Bottom Layer w1: R1.2 L1.2@6.649,80.45
NetL2_1: L2.1 R23.2 U5.3 VD12.2 | length 10.5
  Top Layer w1: R23.2 39.011,73.85 39.011,74.578 cw(c41.206,74.576) 39.654,76.129 VD12.2@40.328,76.803
  Top Layer w1.5: 41.125,83.95 41.6,84.425
  Top Layer w2: VD12.2@41.075,77.9 VD12.2 41.275,84.1
NetL2_2: L2.2 R2.2 | length 3.7
  Bottom Layer w0.5: L2.2@43.074,80.45 L2.2 L2.2
  Bottom Layer w1: L2.2 R2.2
NetL3_1: L3.1 R24.2 U5.2 VD11.2 | length 38.1
  Top Layer w1: v2(18.525,73.65) 18.525,73.6 20.931,71.194 20.933,71.192 cw(c18.054,68.314) 22.125,68.314 22.125,67.369 22.125,61.45 R24.2 ; 22.125,61.4 27.925,61.4 VD11.2
  Top Layer w1.5: 21.045,83.995 24.575,87.525 24.575,88.575
  Bottom Layer w1: v2(18.525,73.65) 18.475,73.7 18.475,79.536 18.475,79.539 cw(c23.21,79.539) 19.863,82.888 21.214,84.239
NetL3_2: L3.2 R3.2 | length 3.8
  Bottom Layer w0.5: L3.2@24.826,80.5 L3.2
  Bottom Layer w1: L3.2@24.851,80.476 R3.2@28.65,80.476
NetL7_2: L7.2 L8.1 L9.2 P1.5 P2.5 TP8.1 | length 44.9
  Top Layer w0.5: L9.2@26.135,25.309 L9.2
  Top Layer w1: P2.5 26.285,27.485 cw(c28.6,27.485) 28.6,29.8 TP8.1 ; L7.2 TP8.1
  Bottom Layer w1: P1.5 13.583,11.947 ccw(c16.476,14.845) 16.476,10.75 16.478,10.75 21.479,10.75 21.481,10.75 ccw(c21.481,15.649) 24.945,12.185 P2.5
NetL9_1: L9.1 TP9.1 TP20.1 | length 30.8
  Top Layer w0.5: TP20.1 TP20.1@47.337,2.812 ; TP9.1@47.363,9.263 TP9.1
  Top Layer w1: L9.1 v2(31.15,25.55) ; TP20.1@47.337,2.812 TP9.1@47.337,8.338
  Bottom Layer w0.5: TP20.1@47.313,2.788 TP20.1
  Bottom Layer w1: v2(31.15,25.55) 47.063,9.637 TP9.1@47.063,8.637
NetR1_1: R1.1 R4.2 | length 2.6
  Bottom Layer w0.5: R1.1 R1.1@2.762,77.238 ; R4.2@5.288,77.238 R4.2
  Bottom Layer w1: R1.1@2.762,77.238 R4.2@5.288,77.238
NetR2_1: R2.1 R5.2 | length 2.4
  Bottom Layer w0.5: R5.2@44.462,77.212 R5.2 R5.2@44.5,77.25 ; R2.1@46.775,77.25 R2.1 R2.1@46.788,77.288
  Bottom Layer w1: R5.2@44.5,77.25 R2.1@46.775,77.25
NetR3_1: R3.1 R6.2 | length 5.2
  Bottom Layer w1: R6.2 R3.1@28.65,77.3
NetR4_1: R4.1 R11.2 | length 2.5
  Bottom Layer w0.5: R4.1 R4.1@5.312,74.013 ; R11.2@7.813,74.013 R11.2
  Bottom Layer w1: R4.1@5.312,74.013 R11.2@7.813,74.013
NetR5_1: R5.1 R14.2 | length 2.4
  Bottom Layer w0.5: R5.1 R5.1@44.513,73.987 ; R14.2@46.788,73.987 R14.2
  Bottom Layer w1: R5.1@44.513,73.987 R14.2@46.788,73.987
NetR6_1: R6.1 R15.2 | length 2.5
  Bottom Layer w0.5: R6.1 R6.1@23.475,74.125 ; R15.2@25.875,74.125 R15.2
  Bottom Layer w1: R6.1@23.475,74.125 R15.2@25.875,74.125
NetR22_1: R22.1 R25.2 | length 2.4
  Top Layer w1: R22.1 7.15,70.7 7.25,70.6 R25.2
NetR23_1: R23.1 R26.2 | length 2.4
  Top Layer w0.8: R23.1@38.795,70.6 38.807,70.587 41.157,70.587 R26.2
NetR24_1: R24.1 R27.2 | length 2.4
  Top Layer w0.8: R24.1 21.082,58.287 23.332,58.287 R27.2
NetR25_1: R25.1 R28.2 | length 2
  Top Layer w0.8: R28.2@7.232,67.287 8.807,67.287 8.82,67.3 R25.1@9.195,67.3
NetR26_1: R26.1 R29.2 | length 2.4
  Top Layer w0.8: R26.1 41.195,67.35 43.545,67.35 R29.2
NetR27_1: R27.1 R30.2 | length 2.3
  Top Layer w0.8: R27.1 23.42,55.075 25.62,55.075 R30.2
NetR31_2: R31.2 U2.1 | length 2.2
  Top Layer w0.5: U2.1 11.707,55.312 11.707,53.188 R31.2
NetR32_2: R32.2 U3.1 | length 2.5
  Top Layer w0.5: U3.1 49.07,55.725 49.07,53.25 R32.2
NetR33_2: R33.2 U4.1 | length 2.1
  Top Layer w0.5: R33.2 U4.1

## Polygon pours and split planes (outlines as drawn)
GND on Bottom Layer "NONET_L-01_P-001" (solid, pour order 6): 0,66.725 50.025,66.725 50.025,-0.025 0,-0.025
NetL1_1 on Bottom Layer "NONET_L-01_P-001" (solid, pour order 3): 1.524,97.232 12.446,97.232 12.446,82.627 1.524,82.627
NetL2_1 on Bottom Layer "NONET_L-01_P-001" (solid, pour order 5): 37.592,97.153 48.514,97.153 48.514,82.627 37.592,82.627
NetL3_1 on Bottom Layer "NONET_L-01_P-001" (solid, pour order 4): 19.525,97.279 30.447,97.279 30.447,82.627 19.525,82.627
GND on Top Layer "NONET_L-01_P-001" (solid, pour order 7): -0.25,55.25 50.014,55.25 50.014,-0.25 -0.25,-0.25
NetL1_1 on Top Layer "NONET_L-01_P-001" (solid, pour order 0): 1.524,97.232 12.446,97.232 12.446,82.627 1.524,82.627
NetL2_1 on Top Layer "NONET_L-01_P-001" (solid, pour order 2): 37.592,97.153 48.514,97.153 48.514,82.627 37.592,82.627
NetL3_1 on Top Layer "NONET_L-01_P-001" (solid, pour order 1): 19.525,97.279 30.447,97.279 30.447,82.627 19.525,82.627

## Keep-outs
Keep-Out Layer:
  lines w0.254: 0,-0.021 35.346,-0.021 47.482,-0.021 50.014,2.511 50.014,98.811 45.7,103.125 4.25,103.125 0,98.875 0,-0.021

## Other copper
Top Layer:
  pour cut-out: 42.6,-0.025 42.6,10.75 50.025,10.75 50.025,-0.025
Bottom Layer:
  pour cut-out: 42.575,-0.025 42.575,10.775 50.025,10.775 50.025,-0.025

## Silkscreen, mask and mechanical layers (free items; w line width, h text height)
Top Overlay:
  text "5 A B C N" at 3.179,15.654 h0.9
  text "5 A B C N" at 17.454,15.454 h0.9
  text "N__HV" at 33.629,1.721 h1
Bottom Overlay:
  text "HV__N" at 38.321,1.796 h1

## Text inside footprints (layer, text, board x,y; h text height)
U5: Top Overlay "C" at 36.306,89.596 h3; Top Overlay "B" at 18.272,89.088 h3; Top Overlay "A" at 1,88.961 h3